# Altium PCB WX0.012.299PCB-4.2(4).PcbDoc (part 1 of 3)
Units mm, origin at the board's own origin, x right, y up, seen from the top; angles counter-clockwise.
Board outline 134.25 x 181.85 mm, 4 copper layers (Top Layer, GND, POWER, Bottom Layer), stack 0.778 mm thick; 242 components, 152 nets, 754 pads, 835 vias.
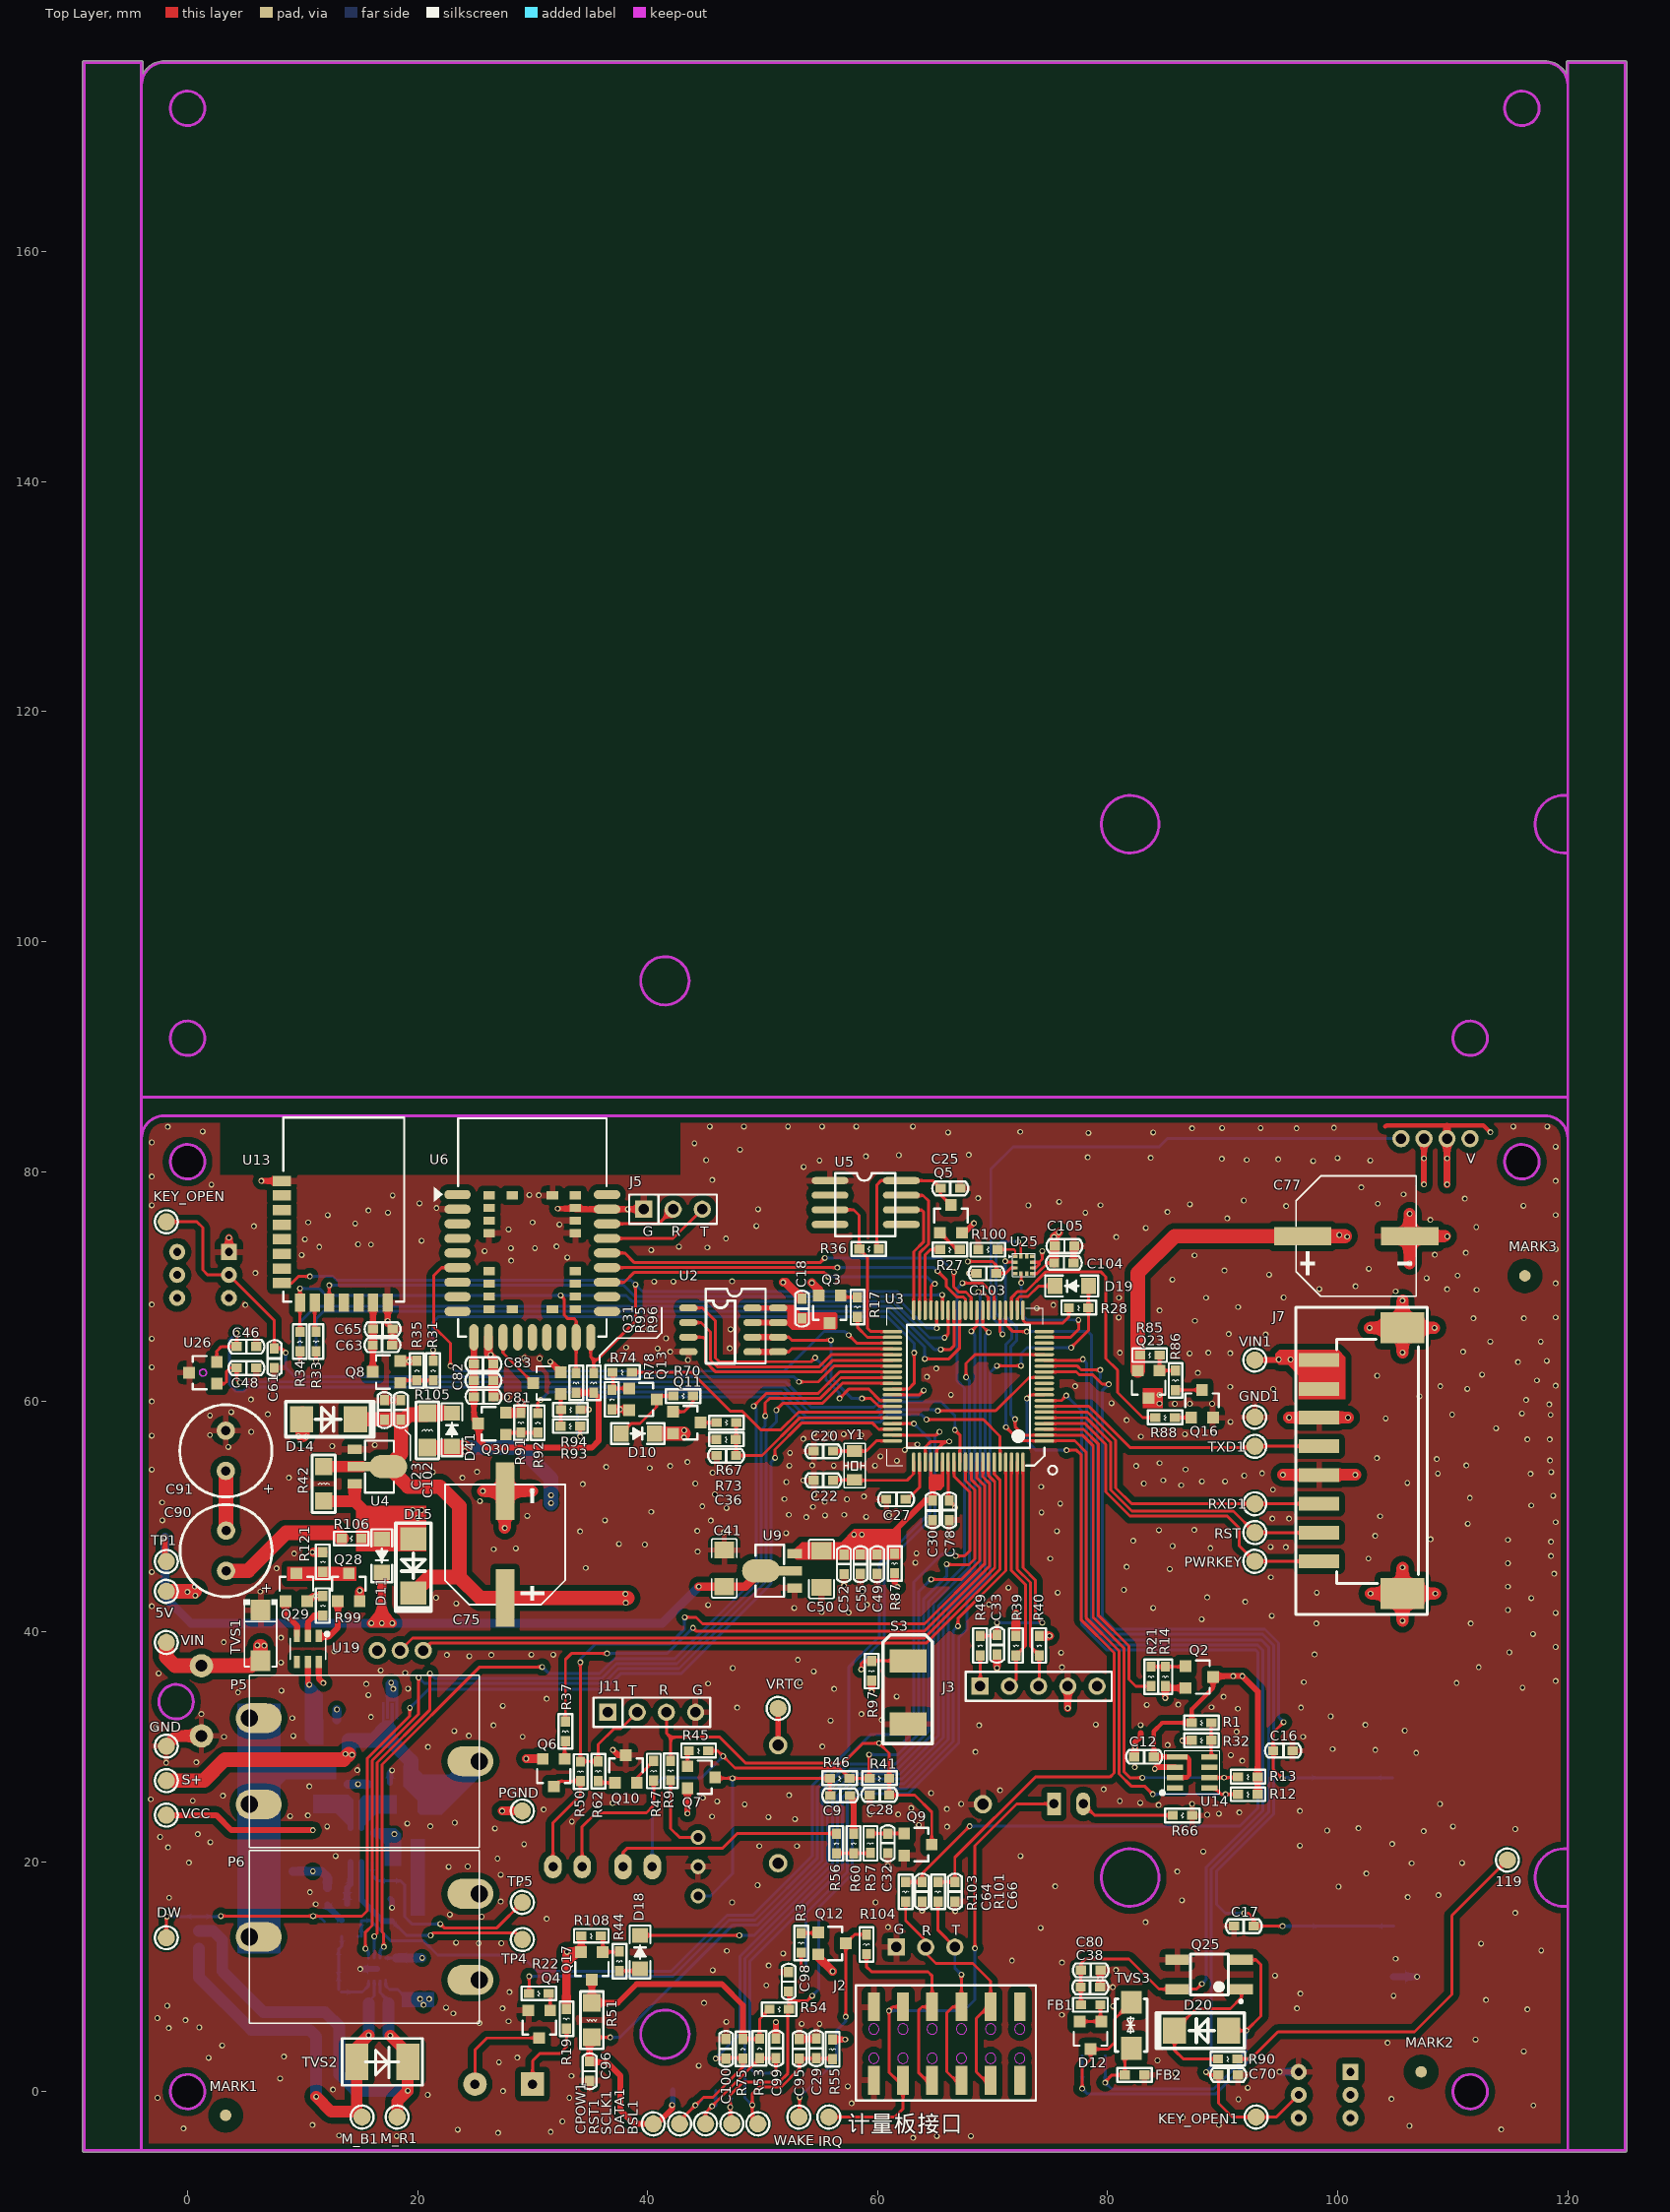
[diagram p0: Top Layer view]
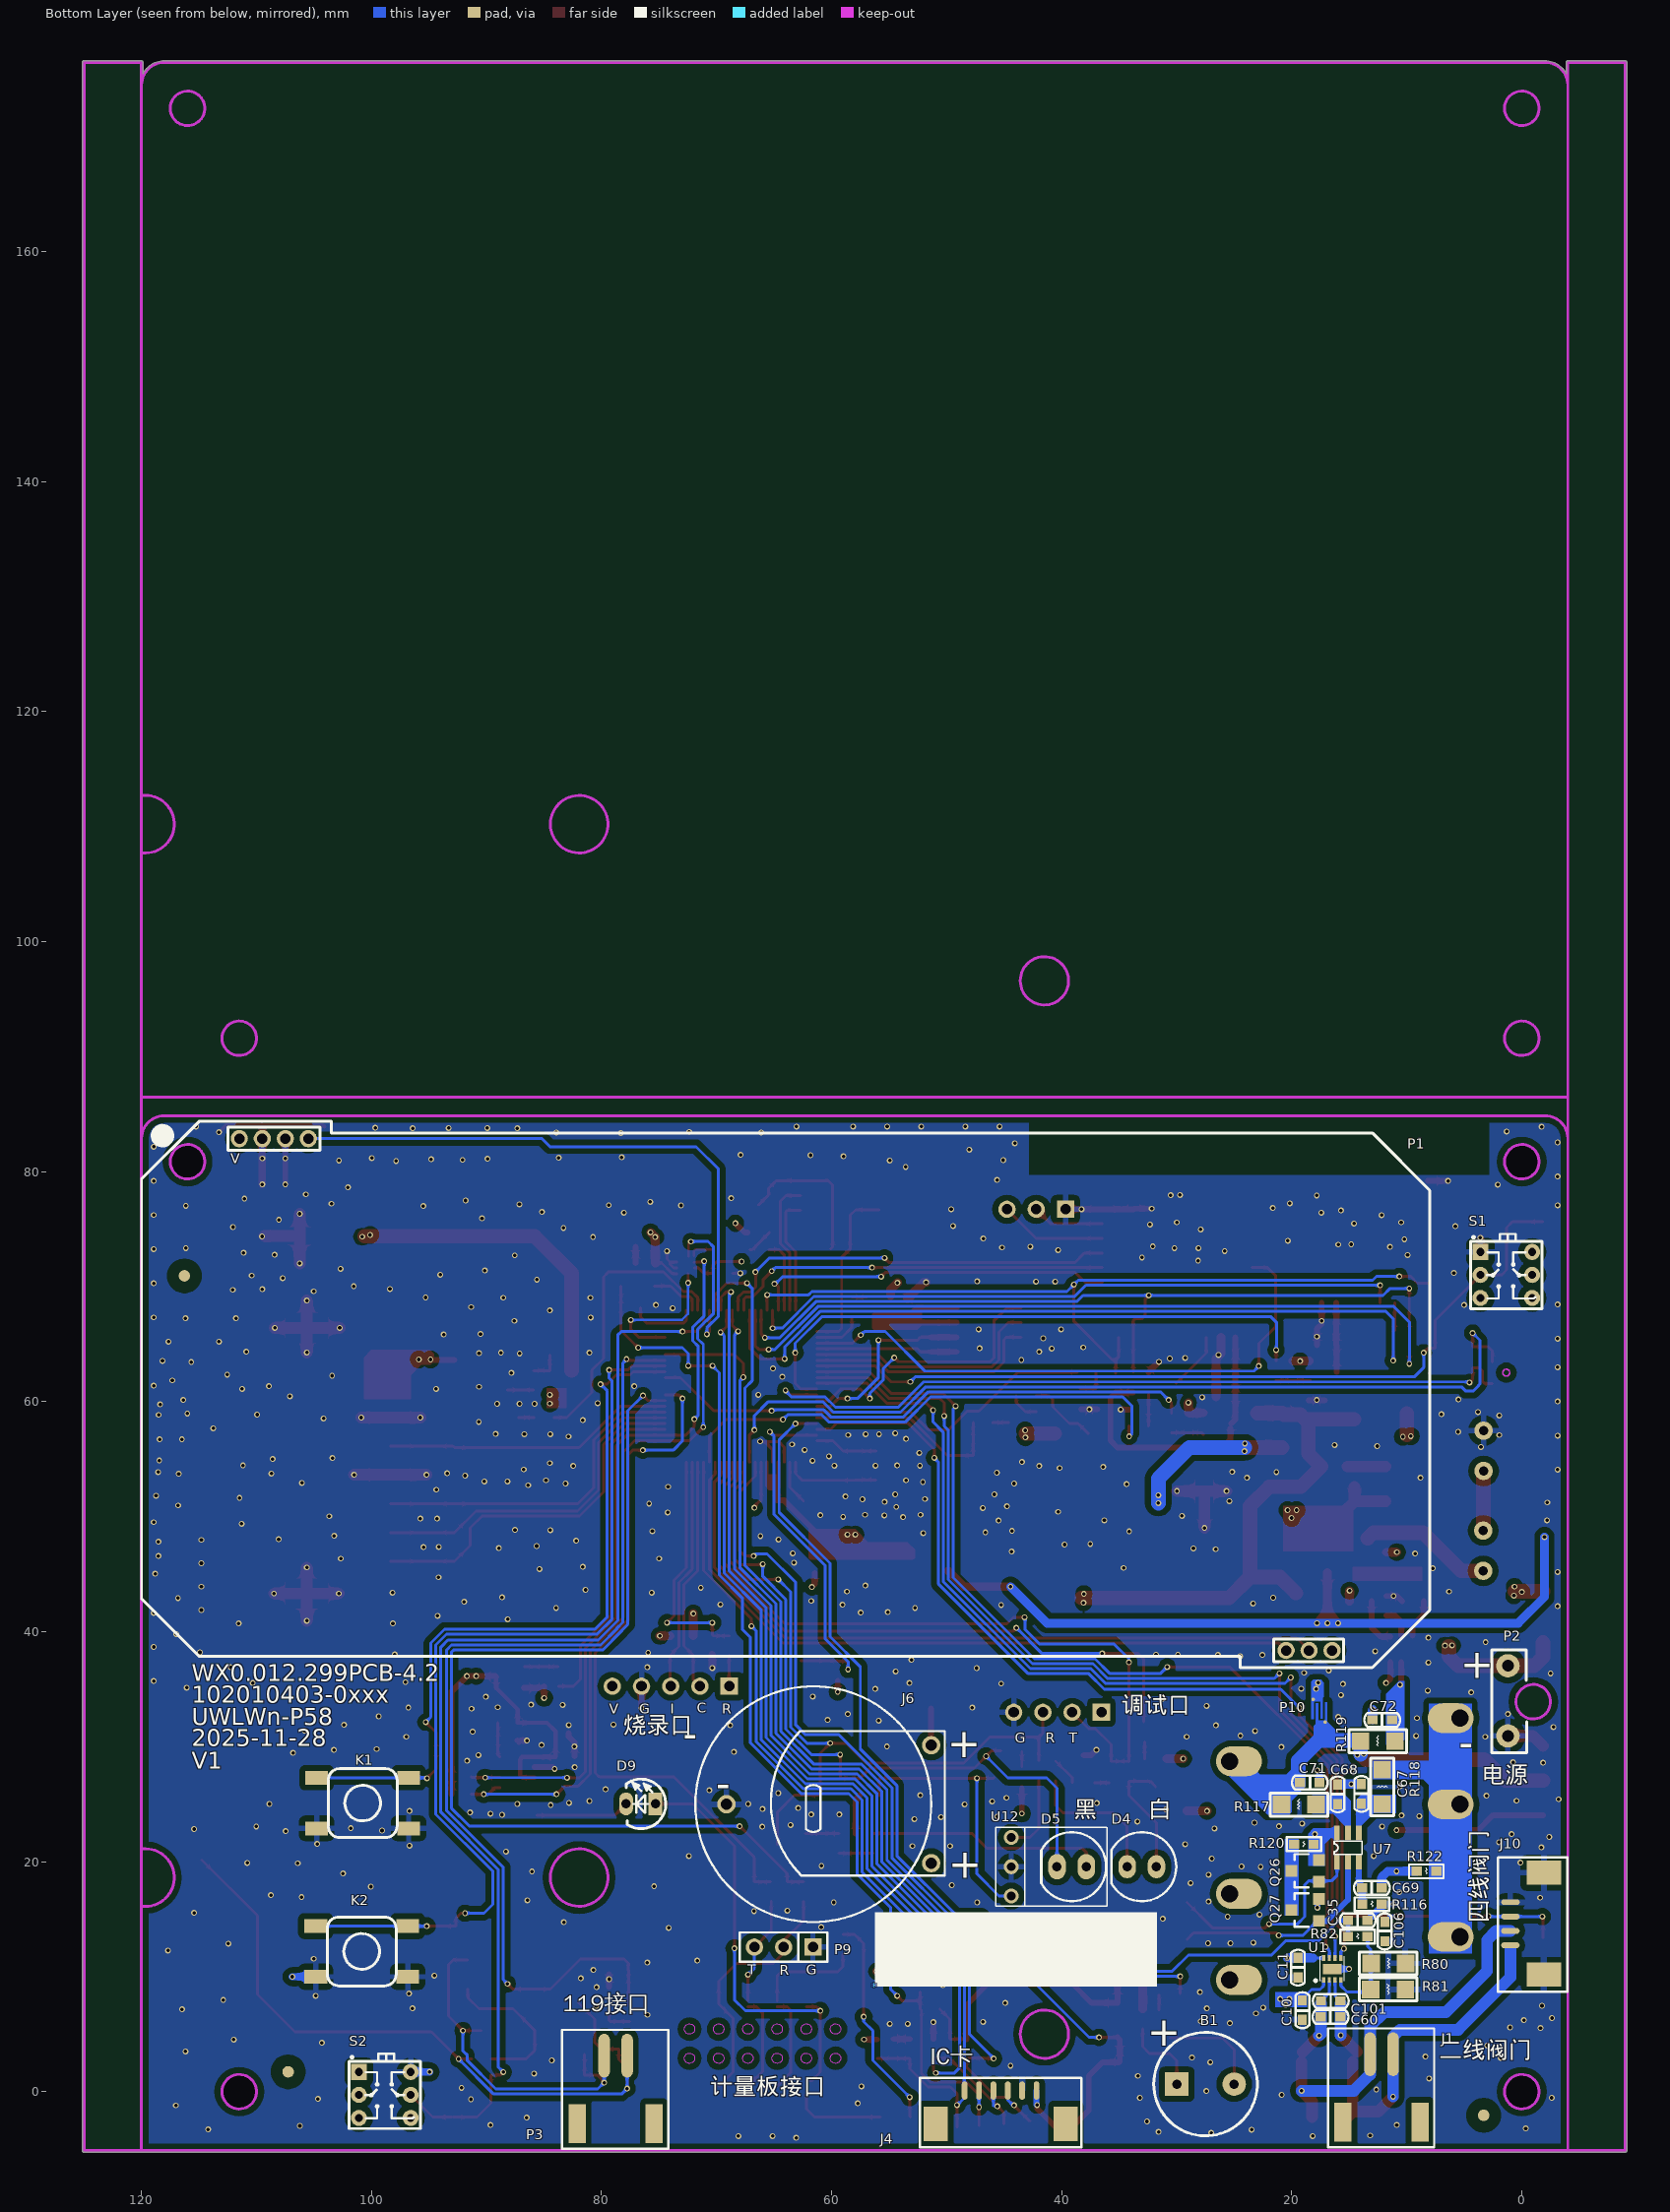
[diagram p1: Bottom Layer view, seen from below]
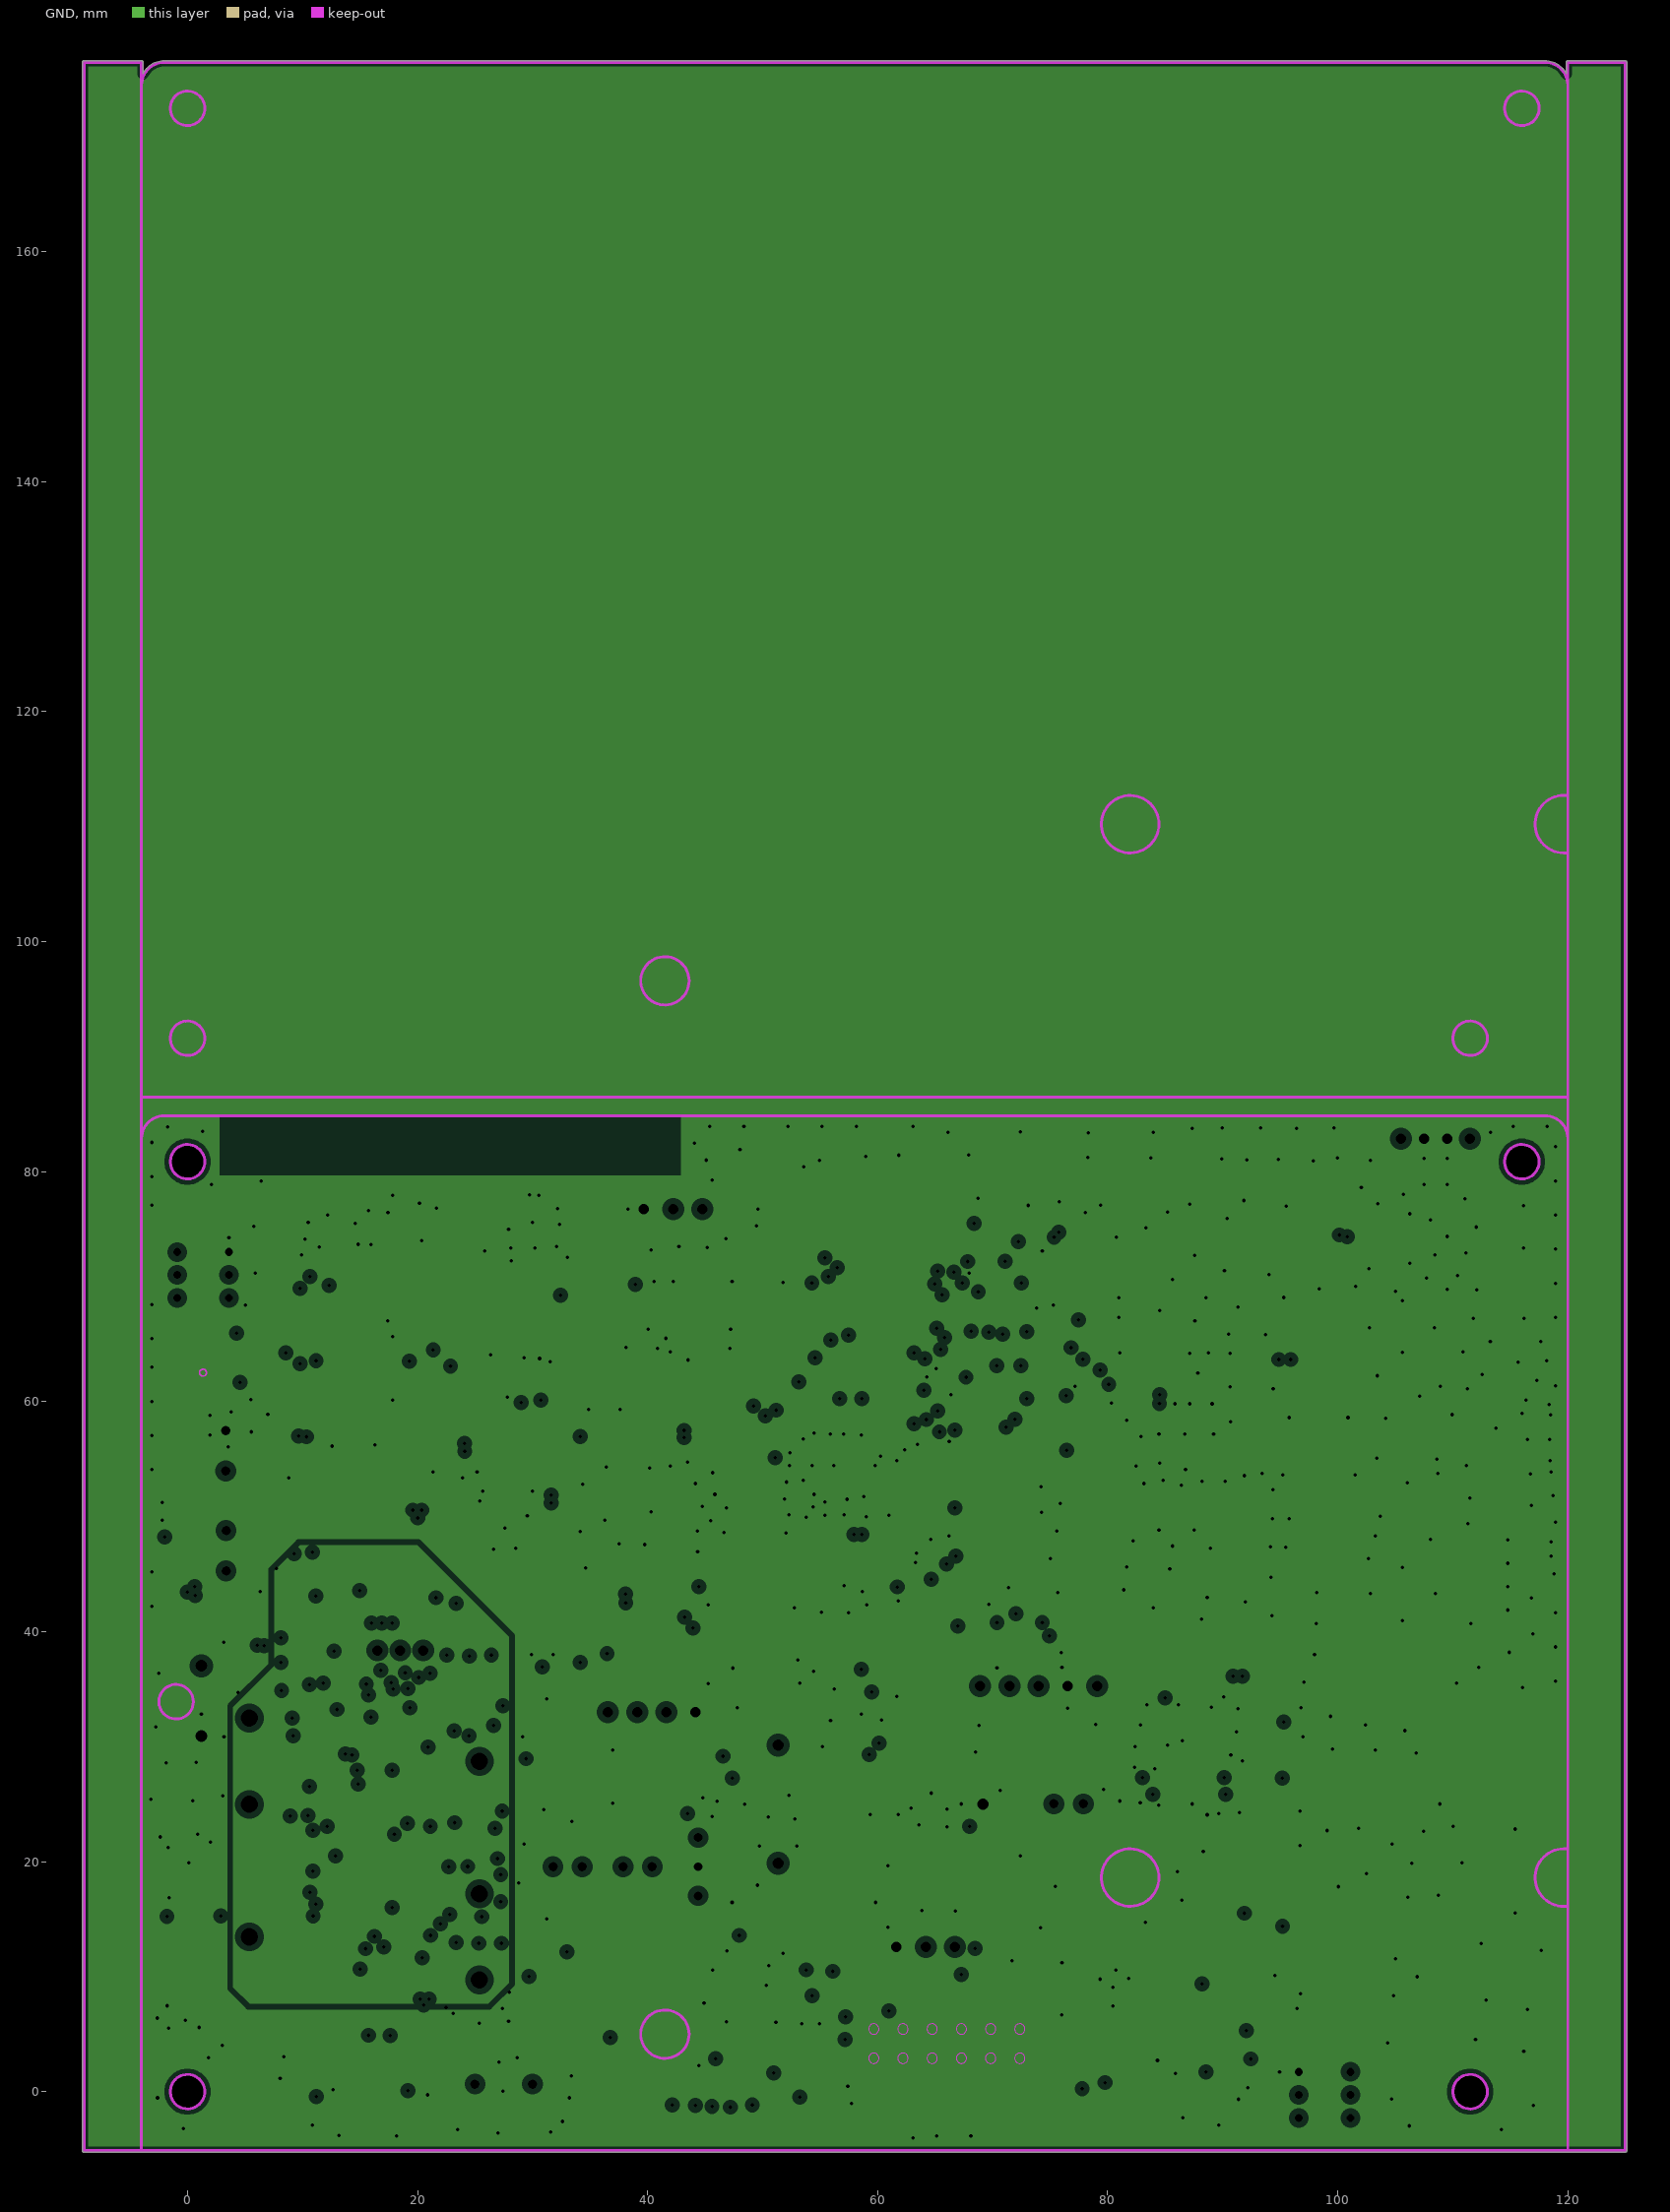
[diagram p2: GND, clearances drawn from the general rule]
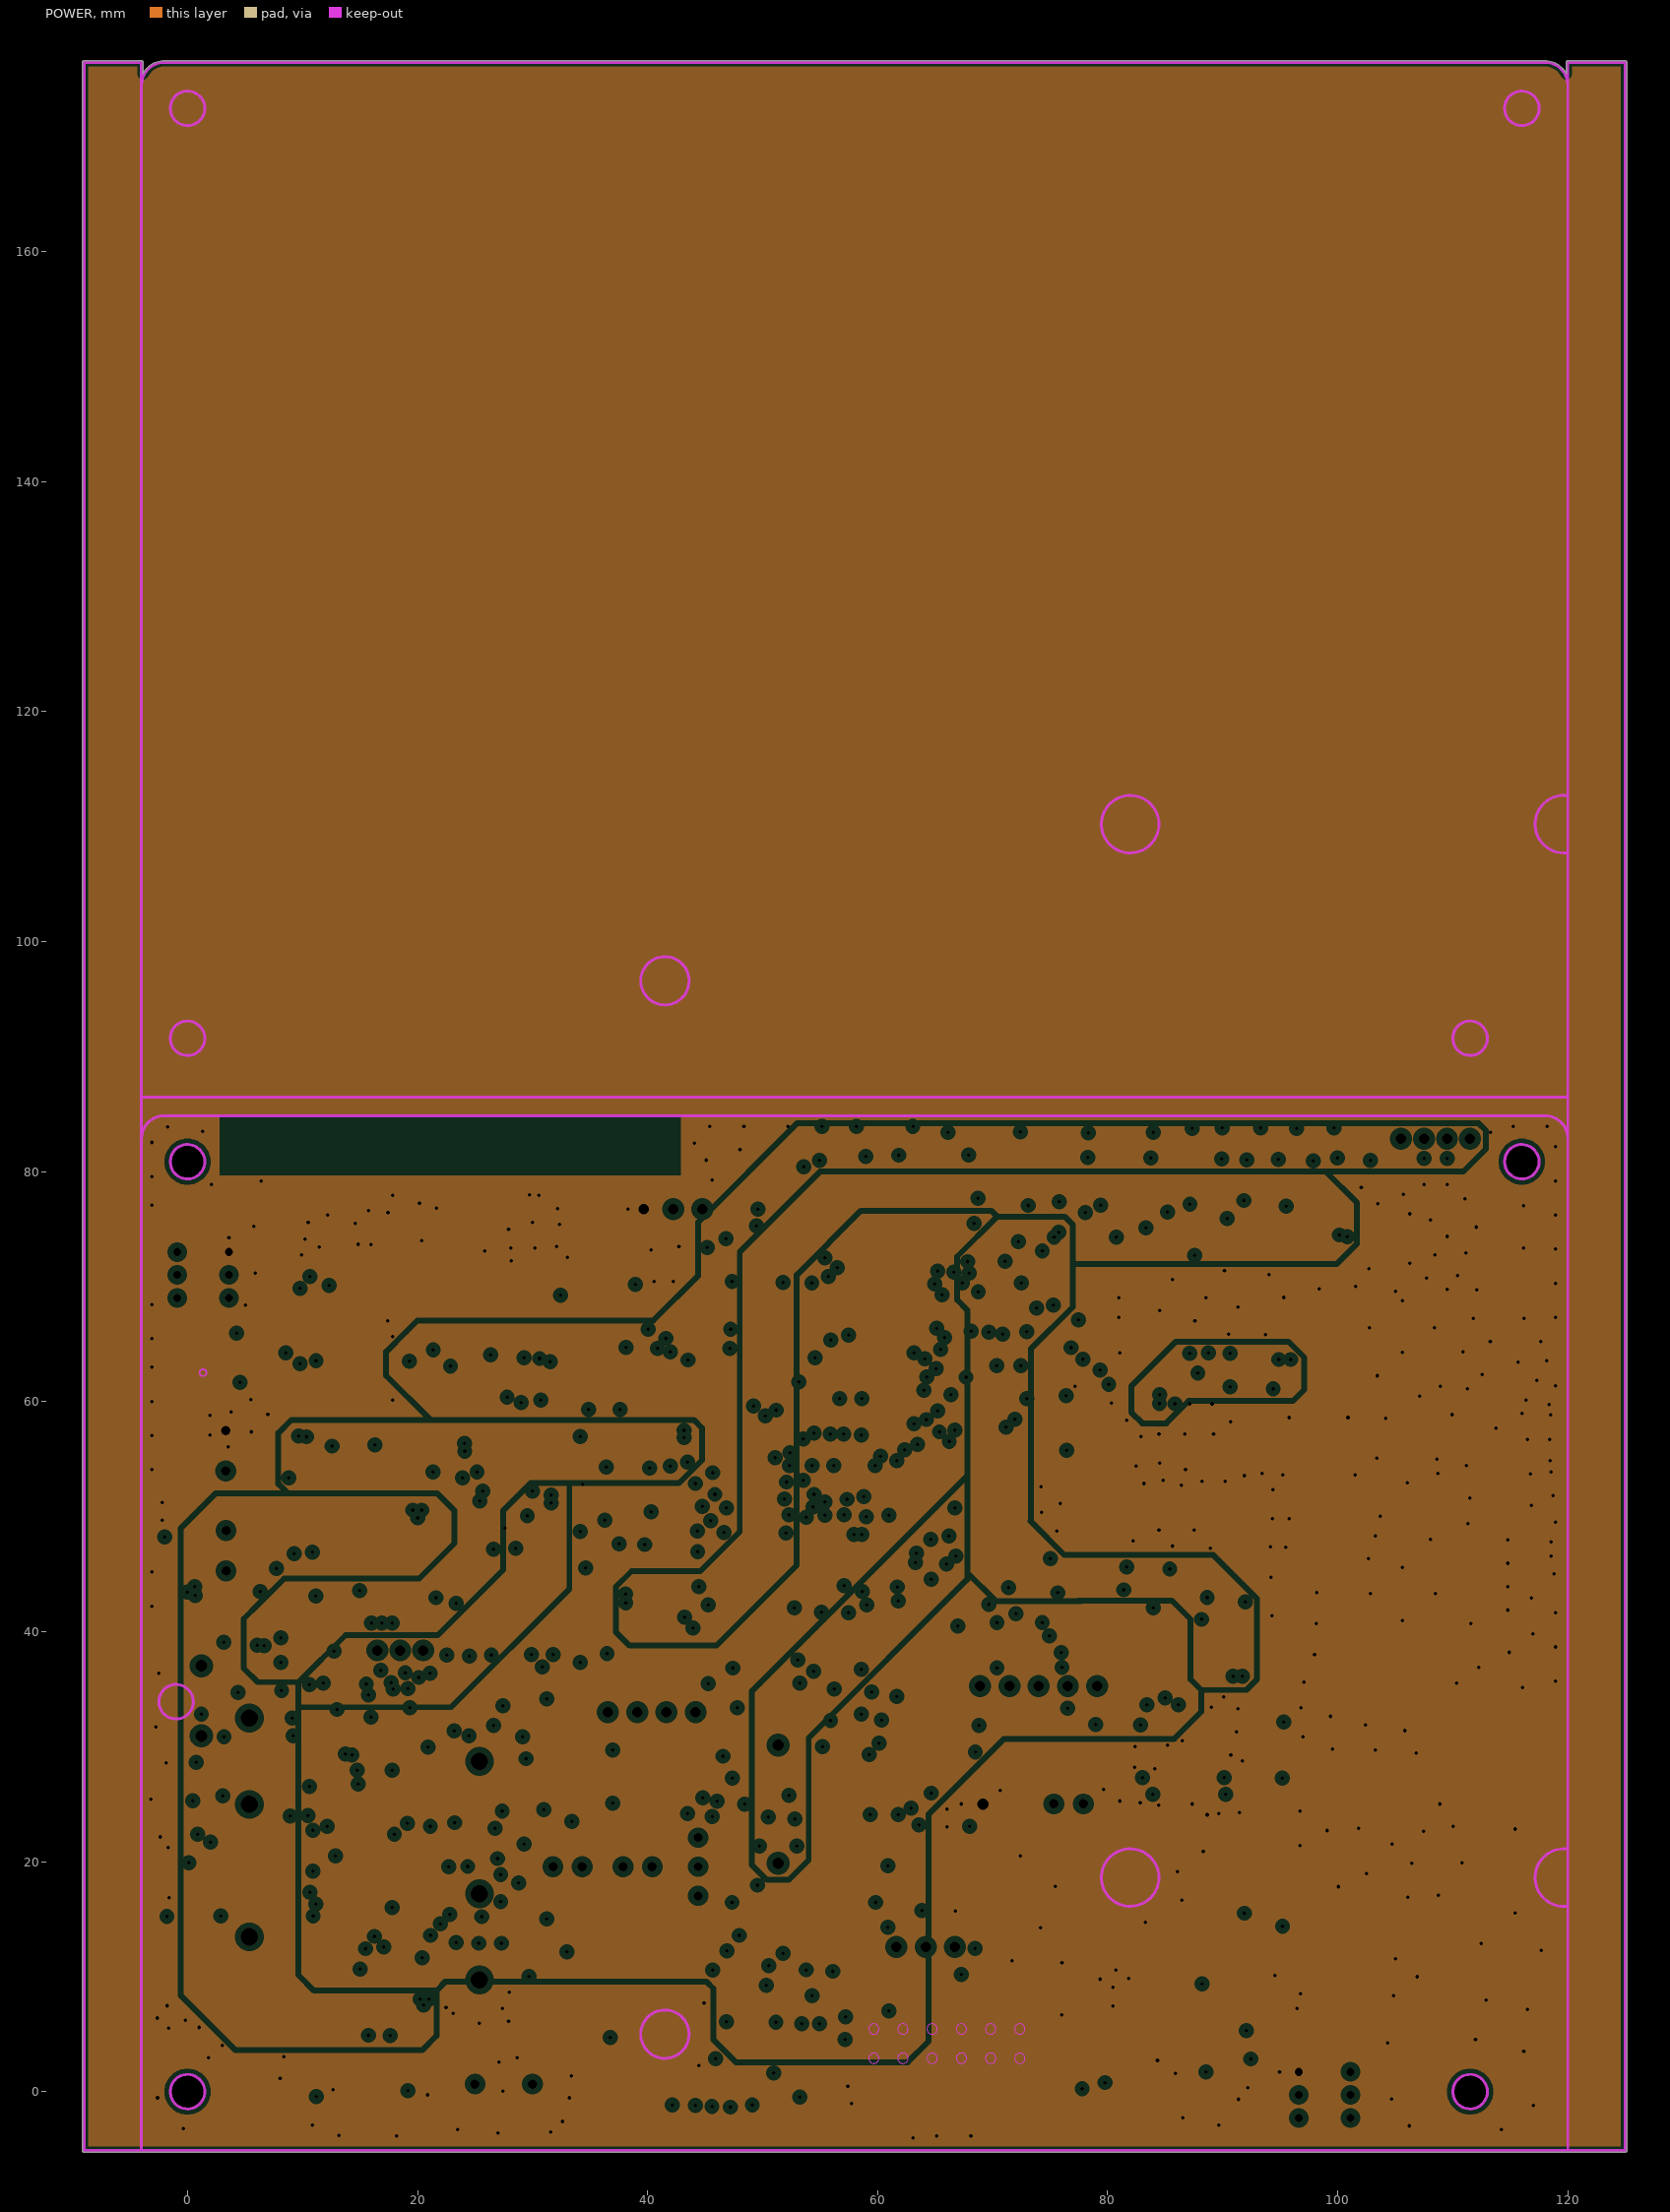
[diagram p3: POWER, clearances drawn from the general rule]

## Layer stack, top to bottom
Top Solder: solder mask 0.0102, Solder Resist, Dk 3.5
Top Layer: signal copper 0.0356
Dielectric 1: core 0.254, FR-4, Dk 4.2
GND: plane copper 0.036, net (Multiple Nets)
Dielectric 3: prepreg 0.127, Dk 4.2
POWER: plane copper 0.036, net (Multiple Nets)
Dielectric 2: core 0.254, Dk 4.2
Bottom Layer: signal copper 0.0356
Bottom Solder: solder mask 0.0102, Solder Resist, Dk 3.5

## Board outline
-9,-5.259 -4,-5.259 ccw(c-4,-5.132) -3.997,-5.259 ccw(c-4,-5.132) -3.997,-5.259 -3.998,-5.259 cw(c-4,-5.132) -4,-5.259 120,-5.259 125,-5.259 ccw(c125,-5.132) 125.127,-5.132 ccw(c125,-5.132) 125.127,-5.132 125.127,176.468 ccw(c125,176.468) 124.998,176.596 120.003,176.596 ccw(c120,176.468) 119.91,176.558 ccw(c120,176.468) 119.873,176.465 119.873,175.478 ccw(c118,174.468) 118,176.596 -2,176.596 ccw(c-2,174.468) -3.873,175.478 -3.873,176.468 ccw(c-4,176.468) -4,176.596 -8.998,176.596 ccw(c-9,176.468) -9.127,176.468 -9.127,-5.132 cw(c-9,-5.132) -9.127,-5.132 ccw(c-9,-5.132)
cut-out: -1.5,0 ccw(c0,0) 0,-1.5 ccw(c0,0) 1.5,0 ccw(c0,0) 0,1.5 ccw(c0,0)
cut-out: -1.5,80.868 ccw(c0,80.868) 0,79.368 ccw(c0,80.868) 1.5,80.868 ccw(c0,80.868) 0,82.368 ccw(c0,80.868)
cut-out: 114.5,80.868 ccw(c116,80.868) 116,79.368 ccw(c116,80.868) 117.5,80.868 ccw(c116,80.868) 116,82.368 ccw(c116,80.868)
cut-out: 110.002,0 ccw(c111.502,0) 111.502,-1.5 ccw(c111.502,0) 113.002,0 ccw(c111.502,0) 111.502,1.5 ccw(c111.502,0)

## Design rules (kind name [scope] priority, off if disabled: settings)
Clearance U25 [InComponent('U25') vs InComponent('U25')] p1: gap=0 ignorepadtopadclearanceinfootprint=FALSE
Clearance VIA-VIA [ISVIA vs ISVIA] p2: gap=0.508 ignorepadtopadclearanceinfootprint=FALSE except(0: Arc-Hole Track-Hole SMDPad-Hole THPad-Hole Via-Hole Fill-Hole Poly-Hole Region-Hole Text-Hole)
Clearance VIA-PAD [ISVIA vs ISPAD] p3: gap=0.381 ignorepadtopadclearanceinfootprint=FALSE except(0: Arc-Hole Track-Hole SMDPad-Hole THPad-Hole Via-Hole Fill-Hole Poly-Hole Region-Hole Text-Hole)
Clearance VIA-TRACK [ISVIA vs ISTRACK] p4: gap=0.381 ignorepadtopadclearanceinfootprint=FALSE except(0: Arc-Hole Track-Hole SMDPad-Hole THPad-Hole Via-Hole Fill-Hole Poly-Hole Region-Hole Text-Hole)
Clearance Polygon [InPolygon] p5: gap=0.508 ignorepadtopadclearanceinfootprint=FALSE except(0: Arc-Hole Track-Hole SMDPad-Hole THPad-Hole Via-Hole Fill-Hole Poly-Hole Region-Hole Text-Hole)
Clearance [All] p6: gap=0.178 ignorepadtopadclearanceinfootprint=FALSE except(0: Arc-Hole Track-Hole SMDPad-Hole THPad-Hole Via-Hole Fill-Hole Poly-Hole Region-Hole Text-Hole)
ComponentClearance [All] p1 off: gap=0.254 collisioncheckmode=3 verticalgap=0.254 showdistances=FALSE
FabricationTestPointUsage TestPointUsage [All] p1: valid=0 allowmultiple=FALSE
FabricationTestpoint Testpoint [(IsPad And (OnTopLayer Or OnBottomLayer))] p1: side=3 testpointundercomponent=TRUE minsize=1.016 maxsize=2.54 preferedsize=1.524 minholesize=0 maxholesize=1.016 preferedholesize=0.813 testpointgrid=0.025 allowsidetop=TRUE allowsidebottom=TRUE usegrid=TRUE gridtolerance=0
HoleSize [All] p1 off: absolutevalues=TRUE maxlimit=7.62 minlimit=0 maxpercent=80.000 minpercent=20.000
HoleToHoleClearance [All] p1 off: gap=0.254 allowstackedmicrovias=TRUE
LayerPairs [All] p1 off: enforce=TRUE
MinimumSolderMaskSliver [All] p1 off: minsoldermaskwidth=0.254
NetAntennae [All] p1 off: netantennaetolerance=0
PlaneClearance [All] p1: clearance=0.508
PlaneConnect [All] p1: planeconnectstyle=Direct reliefexpansion=0.508 reliefentries=4 reliefconductorwidth=0.508 reliefairgap=0.254
PolygonConnect [isvia] p1: connectstyle=Direct reliefconductorwidth=0.381 reliefentries=4 polygonreliefangle="90 Angle" airgapwidth=0.254
PolygonConnect PolygonConnect_1 [All] p2: connectstyle=Relief reliefconductorwidth=0.508 reliefentries=4 polygonreliefangle="90 Angle" airgapwidth=0.508
RoutingVias [All] p1: holewidth=0.254 width=0.508 viastyle="Through Hole" minholewidth=0.127 minwidth=0.127 maxholewidth=1.27 maxwidth=2.54
SilkToBoardRegionClearance [All] p1 off:
SilkToSilkClearance [All] p1 off: silktosilkclearance=0.254
SilkToSolderMaskClearance [IsPad] p1 off: minsilkscreentomaskgap=0.254 clearancetoexposedcopper=TRUE
SolderMaskExpansion [All] p1: expansion=0.102
Width [All] p1: maxlimit=7.62 minlimit=0.203 preferedwidth=0.254
17 further rules are at their usual default settings.

## Classes and differential pairs
component class WX0.012.296DL: 5V BSL1 C23 C29 C36 C41 C49 C50 C52 C55 C63 C65 C67 C68 C69 C71 C72 C75 C77 C78 C81 C82 C83 C90 C91 C95 C96 C98 C99 C100 C102 CPOW1 D10 D11 D14 D15 D18 D41 DATA1 GND J4 J5 J6 P2 P5 P6 P10 PGND Q8 Q11 Q13 Q16 Q17 Q23 Q26 Q27 Q28 Q29 Q30 Q31 R31 R35 R42 R44 R51 R53 R54 R55 R67 R70 R73 R74 R75 R78 R85 R86 R88 R91 R92 R93 R94 R95 R96 R99 R105 R106 R108 R116 R117 R118 R119 R120 R121 R122 RST1 S+ SCLK1 TP1 TP4 TP5 TVS1 U4 U6 U7 U9 U13 U19 VCC VIN VRTC
component class WX0.012.297DL: 119 * B1 C9 C10 C11 C12 C16 C17 C18 C20 C22 C25 C27 C28 C30 C32 C33 C35 C38 C46 C48 C60 C61 C64 C66 C70 C80 C101 C103 C104 C105 C106 D4 D5 D9 D12 D19 D20 DW FB1 FB2 GND1 IRQ J1 J2 J3 J7 J10 J11 K1 K2 KEY_OPEN KEY_OPEN1 M_B1 M_R1 MARK1 MARK2 MARK3 P1 P3 P9 Q2 Q3 Q4 Q5 Q6 Q7 Q9 Q10 Q12 Q25 R1 R3 R9 R12 R13 R14 R17 R19 R21 R22 R27 R28 R32 R33 R34 R36 R37 R39 R40 R41 R45 R46 R47 R49 R50 R56 R57 R60 R62 R66 R80 R81 R82 R87 R90 R97 R100 R101 R103 R104 S1 S2 S3 TVS2 TVS3 TXD1 U1 U2 U3 U5 U12 U14 U25 U26 VIN1 WAKE Y1